# Altium PCB DAU-3Phase-Mainboard.PcbDoc
Units mm, origin at the board's own origin, x right, y up, seen from the top; angles counter-clockwise.
Board outline 108 x 148 mm, 2 copper layers (Top Layer, Bottom Layer); 149 components, 95 nets, 471 pads, 141 vias.
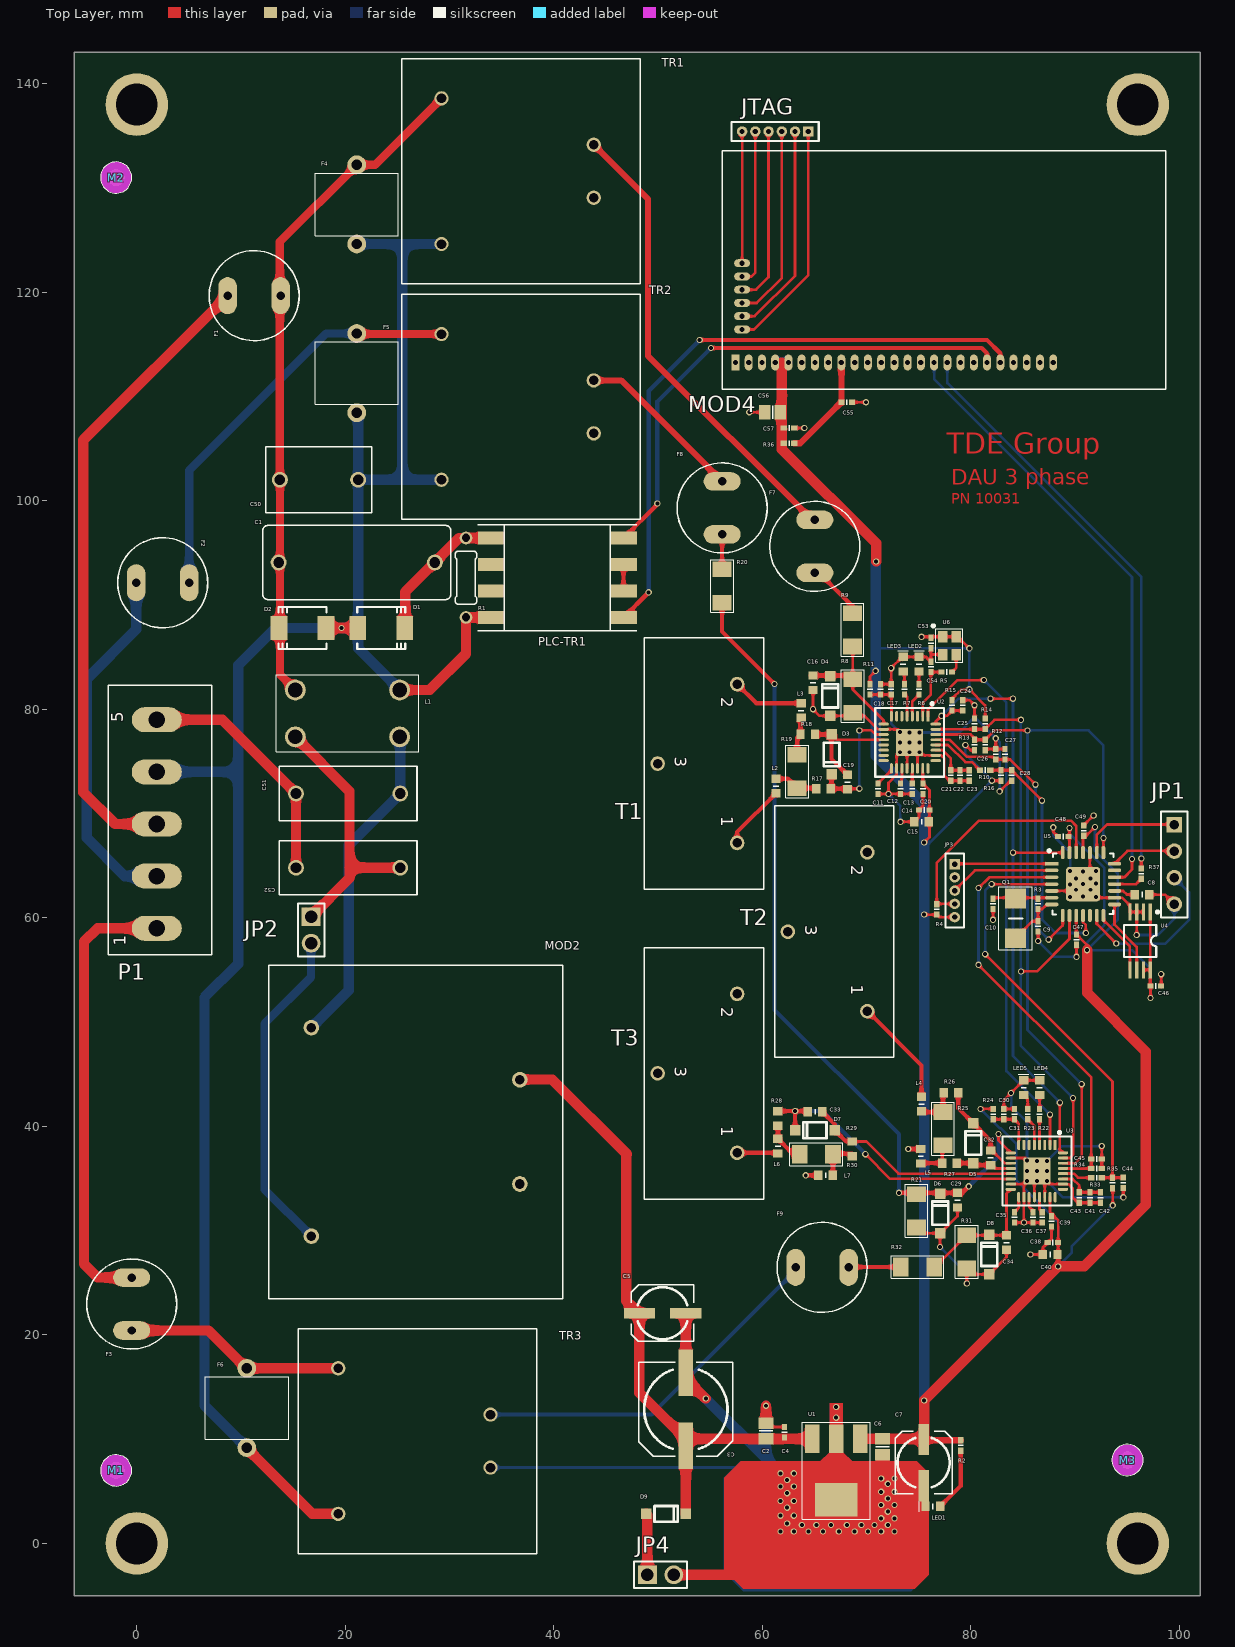
[diagram p0: Top Layer view]
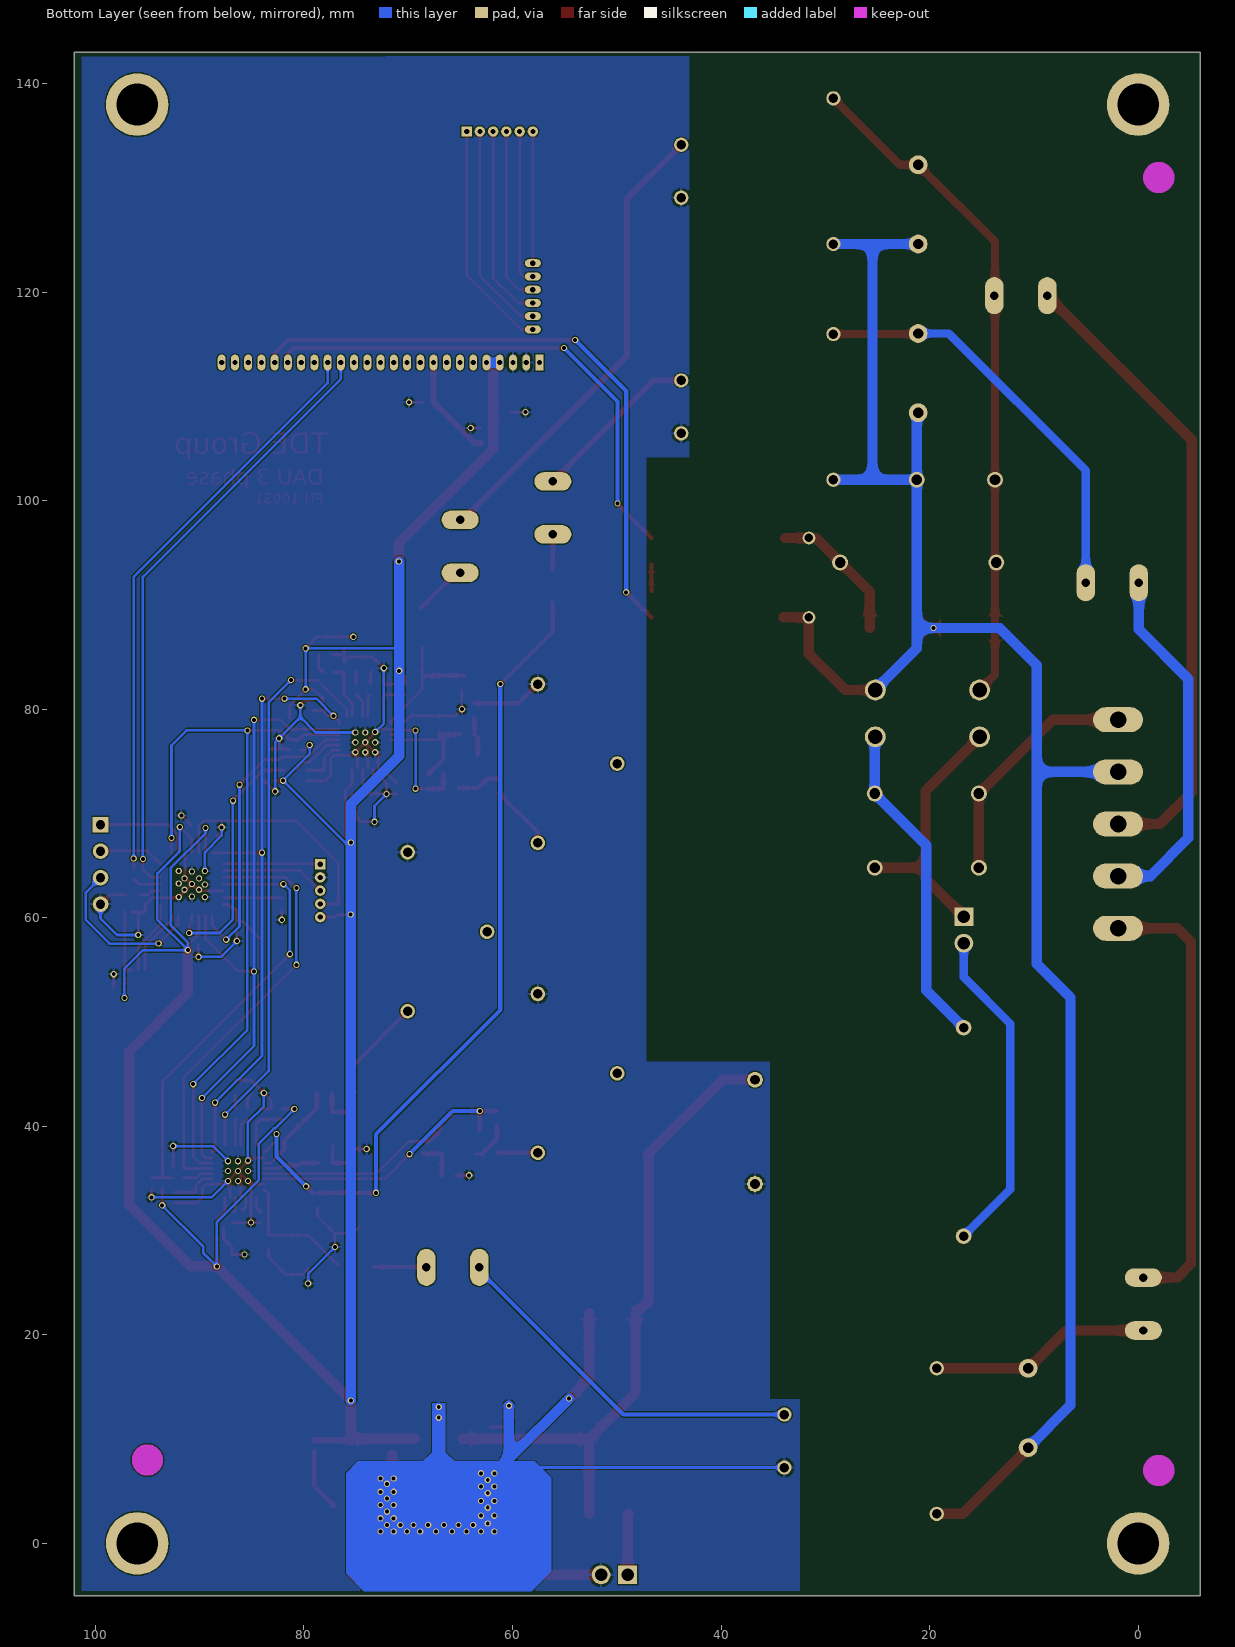
[diagram p1: Bottom Layer view, seen from below]

## Layer stack, top to bottom
Top Solder: solder mask 0.0102, Solder Resist, Dk 3.5
Top Layer: signal copper 0.0356
Dielectric 1: dielectric 0.32, FR-4, Dk 4.8
Bottom Layer: signal copper 0.0356
Bottom Solder: solder mask 0.0102, Solder Resist, Dk 3.5

## Board outline
-5.984,-5 -5.984,143 102.016,143 102.016,-5

## Design rules (kind name [scope] priority, off if disabled: settings)
Clearance [All] p1: gap=0.11
ComponentClearance [All] p1: gap=0 collisioncheckmode=3 verticalgap=0 showdistances=FALSE
HoleSize [All] p1: absolutevalues=TRUE maxlimit=10 minlimit=0.025 maxpercent=80.000 minpercent=20.000
MinimumSolderMaskSliver MinimumSolderMaskSliver_2 [HasFootprint('QFN28_LONG_ERRLES-Vias')] p1: minsoldermaskwidth=0
MinimumSolderMaskSliver MinimumSolderMaskSliver_1 [(HasFootprint('QFN32_L-Vias') AND HasFootprint('QFN32_L-Vias'))] p2: minsoldermaskwidth=0
MinimumSolderMaskSliver [All] p3: minsoldermaskwidth=0.05
PolygonConnect [All] p1: connectstyle=Relief reliefconductorwidth=0.254 reliefentries=4 polygonreliefangle="90 Angle" airgapwidth=0.254
RoomDefinition DAU-3Phase-PSU [InComponentClass('DAU-3Phase-PSU')] p1: confinementstyle=ConfineIn formatcopy=TRUE lockcomponents=FALSE outline -14.554,-6.629 118.374,-6.629 118.374,145.39 -14.554,145.39
RoomDefinition DAU-3Phase-Measuring [InComponentClass('DAU-3Phase-Measuring')] p2: confinementstyle=ConfineIn formatcopy=TRUE lockcomponents=FALSE outline -14.427,-8.28 109.969,-8.28 109.969,146.851 -14.427,146.851
RoutingVias [All] p1: holewidth=0.711 width=1.27 viastyle="Through Hole" minholewidth=0.3 minwidth=0.38 maxholewidth=0.711 maxwidth=1.27
SilkToSilkClearance [All] p1: silktosilkclearance=0.005
SilkToSolderMaskClearance [IsPad] p1: minsilkscreentomaskgap=0 clearancetoexposedcopper=TRUE
SolderMaskExpansion [All] p1: expansion=0.102
Width [All] p1: maxlimit=4 minlimit=0.254 preferedwidth=0.254
25 further rules are at their usual default settings.

## Classes and differential pairs
component class DAU-3Phase-Measuring: C11 C12 C13 C14 C15 C16 C17 C18 C19 C20 C21 C22 C23 C24 C25 C26 C27 C28 C29 C30 C31 C32 C33 C34 C35 C36 C37 C38 C39 C40 C41 C42 C43 C44 C45 C53 C54 D3 D4 D5 D6 D7 D8 F7 F8 F9 L2 L3 L4 L5 L6 L7 LED2 LED3 LED4 LED5 M1 M2 M3 R5 R6 R7 R8 R9 R10 R11 R12 R13 R14 R15 R16 R17 R18 R19 R20 R21 R22 R23 R24 R25 R26 R27 R28 R29 R30 R31 R32 R33 R34 R35 T1 T2 T3 TR1 TR2 TR3 U2 U3 U6
component class DAU-3Phase-PSU: C1 C2 C3 C4 C5 C6 C7 C8 C9 C10 C46 C47 C48 C49 C50 C51 C52 C55 C56 C57 D1 D2 D9 F1 F2 F3 F4 F5 F6 JP1 JP2 JP3 JP4 JTAG L1 LED1 MOD2 MOD4 P1 PLC-TR1 Q1 R1 R2 R3 R4 R36 R37 U1 U4 U5

## Components (designator, comment, footprint, x,y, rotation, side; value= is the part's Value field where it differs from the comment)
C1 "470nF275V" C150-072X183 21.092,94.082 r0 top
C2 "100nF100V_0805" C0805 60.345,10.792 r90 top
C3 "470uF25V_POL_FT" Panasonic-FT-F_Case 52.651,12.866 r270 top
C4 "150p50V_0402" C0402 62.123,10.665 r90 top
C5 "4u7F25V_POL_TK" Panasonic-FT-C_Case 50.429,22.073 r180 top
C6 "100nF100V_0805" C0805 71.521,9.268 r270 top
C7 "4u7F25V_POL_TK" Panasonic-FT-C_Case 75.458,7.744 r90 top
C8 "10uF10V_0603" C0603 96.411,62.227 r0 top
C9 "16pF50V_0402" C0402 86.443,59.179 r270 top
C10 "16pF50V_0402" C0402 82.125,61.338 r270 top
C11 "100nF25V_0402" C0402 71.076,72.387 r270 top
C12 "100nF25V_0402" C0402 73.235,72.387 r270 top
C13 "100nF25V_0402" C0402 74.378,72.387 r270 top
C14 "100nF25V_0402" C0402 75.521,70.355 r180 top
C15 "1uF25V_0603" C0603 75.267,69.212 r180 top
C16 "22nF50V_0603" C0603 64.853,82.547 r270 top
C17 "150p50V_0402" C0402 72.346,81.912 r90 top
C18 "100nF25V_0402" C0402 71.33,81.912 r90 top
C19 "10nF50V_0603" C0603 68.155,73.022 r90 top
C20 "150p50V_0402" C0402 75.394,72.387 r270 top
C21 "150p50V_0402" C0402 78.061,73.657 r270 top
C22 "100nF25V_0402" C0402 78.95,73.657 r270 top
C23 "4n7F50V_0402" C0402 79.839,73.657 r270 top
C24 "150p50V_0402" C0402 79.204,80.38 r90 top
C25 "150p50V_0402" C0402 80.347,78.61 r90 top
C26 "150p50V_0402" C0402 81.363,76.578 r270 top
C27 "150p50V_0402" C0402 83.268,75.689 r90 top
C28 "150p50V_0402" C0402 83.903,73.657 r270 top
C29 "22nF50V_0603" C0603 78.71,32.92 r270 top
C30 "100nF25V_0402" C0402 83.155,41.175 r90 top
C31 "150p50V_0402" C0402 84.171,41.175 r90 top
C32 "10nF50V_0603" C0603 81.885,36.984 r270 top
C33 "10nF50V_0603" C0603 65.044,41.399 r0 top
C34 "22nF50V_0603" C0603 83.409,28.856 r270 top
C35 "100nF25V_0402" C0402 84.171,31.269 r270 top
C36 "100nF25V_0402" C0402 85.949,31.269 r270 top
C37 "100nF25V_0402" C0402 86.838,31.269 r270 top
C38 "150p50V_0402" C0402 87.854,28.856 r180 top
C39 "100nF25V_0402" C0402 87.727,30.888 r270 top
C40 "1uF25V_0603" C0603 87.6,27.713 r180 top
C41 "4n7F50V_0402" C0402 91.41,33.174 r270 top
C42 "100nF25V_0402" C0402 92.426,33.174 r270 top
C43 "150p50V_0402" C0402 90.394,33.174 r270 top
C44 "150p50V_0402" C0402 94.615,34.591 r270 top
C45 "150p50V_0402" C0402 92.045,36.857 r0 top
C46 "100n50V_0402" C0402 97.727,53.451 r180 top
C47 "100n50V_0402" C0402 90.126,57.909 r270 top
C48 "100n50V_0402" C0402 88.846,67.793 r180 top
C49 "100n50V_0402" C0402 90.815,68.365 r90 top
C50 "68nF270V-X2" Foil-7,5x10 17.472,102.02 r0 top
C51 "10nF300V-Y2" Foil-10x13 20.266,71.921 r180 top
C52 "10nF300V-Y2" Foil-10x13 20.266,64.809 r180 top
C53 "100nF16V_0402" C0402 76.156,86.357 r270 top
C54 "16pF50V_0402" C0402 76.156,84.071 r90 top
C55 "100nF25V_0402" C0402 68.082,109.449 r0 top
C56 "100nF100V_0805" C0805 60.97,108.497 r180 top
C57 "150p50V_0402" C0402 62.557,106.973 r0 top
D1 "SMBJ58CA-TR" SMB 23.441,87.796 r0 top
D2 "SMBJ58CA-TR" SMB 15.885,87.796 r180 top
D3 "MMSZ4678T1G" SOD123 66.631,75.689 r270 top
D4 "MMSZ4678T1G" SOD123 66.504,81.277 r90 top
D5 "MMSZ4678T1G" SOD123 80.234,38.381 r90 top
D6 "MMSZ4678T1G" SOD123 77.059,31.65 r90 top
D7 "MMSZ4678T1G" SOD123 65.044,39.621 r180 top
D8 "MMSZ4678T1G" SOD123 81.758,27.713 r90 top
D9 "RB160M-30TR" SOD123 50.746,2.833 r0 top
F1 "MCMET 250MA 250V" TR5 11.249,119.673 r0 top
F2 "MCMET 250MA 250V" TR5 2.476,92.138 r0 top
F3 "MCMET 250MA 250V" TR5 -0.498,22.962 r270 top
F4 "GDT-SL1011A-1" SL1011A/SL1011B 21.096,128.426 r90 top
F5 "GDT-SL1011A-1" SL1011A/SL1011B 21.096,112.243 r90 top
F6 "GDT-SL1011A-1" SL1011A/SL1011B 10.551,12.993 r90 top
F7 "MCMET 250MA 250V" TR5 65.024,95.631 r270 top
F8 "MCMET 250MA 250V" TR5 56.134,99.314 r270 top
F9 "MCMET 250MA 250V" TR5 65.722,26.479 r0 top
JP1 "Plug_4_90_2.54" HDR1X4 99.514,65.126 r270 top
JP2 "Header-2" HDR1X2 16.71,58.84 r270 top
JP3 "ICDI" HDR1X5-1.27 78.442,62.608 r270 top
JP4 "Header-2" HDR1X2 50.238,-3.009 r0 top
JTAG "JTAG" HDR1X6-1.27 61.224,135.421 r180 top
L1 "PowerChoke-2" WE-CMB-XS 20.203,79.604 r180 top
L2 "1k5_50mA_0603" L0603 61.297,72.641 r270 top
L3 "1k5_50mA_0603" L0603 63.71,79.88 r90 top
L4 "1k5_50mA_0603" L0603 75.257,42.139 r90 top
L5 "1k5_50mA_0603" L0603 75.184,37.131 r90 top
L6 "1k5_50mA_0603" L0603 61.488,38.097 r270 top
L7 "1k5_50mA_0603" L0603 66.06,35.303 r180 top
LED1 "WL-SMCW-GREEN" WE-0603 76.347,3.553 r0 top
LED2 "WL-SMCW-RED" WE-0603 75.013,84.325 r270 top
LED3 "WL-SMCW-YELLOW" WE-0603 73.489,84.325 r270 top
LED4 "WL-SMCW-RED" WE-0603 86.584,43.715 r270 top
LED5 "WL-SMCW-YELLOW" WE-0603 85.06,43.715 r270 top
M1 "Paste Mark" Mark-3mm -1.984,7 r0 top
M2 "Paste Mark" Mark-3mm -1.984,131 r0 top
M3 "Paste Mark" Mark-3mm 95.016,8 r0 top
MOD2 "VTX-214-005-105" VTX-214-005-105 26.743,39.472 r270 top
MOD4 "IT900" IT900-PIM 56.144,110.719 r0 top
P1 "Plug_05_5mm" CONNECTOR_5_POL-5mm 1.915,69 r90 top
PLC-TR1 "PLC-Transformer" PLC-UEBERTRAGER_V2 40.332,92.622 r0 top
Q1 "Crystal_8MHz_1" ABM3 84.284,59.941 r90 top
R1 "470k_0204/7" 0204/7 31.569,92.622 r90 top
R2 "390R_0402" R0402 79.014,9.395 r270 top
R3 "1M_0402" R0402 86.443,61.338 r90 top
R4 "10k_0402" R0402 76.718,60.808 r270 top
R5 "33R_0402" R0402 77.68,83.571 r180 top
R6 "4k7_0402" R0402 75.013,81.912 r270 top
R7 "4k7_0402" R0402 73.616,81.912 r270 top
R8 "4k7_0204_MELF" R0204-MELF4 68.663,81.277 r90 top
R9 "470k_0204_MELF" R0204-MELF4 68.644,87.63 r270 top
R10 "100R_0402" R0402 81.363,74.165 r0 top
R11 "100R_0402" R0402 70.314,81.912 r270 top
R12 "10k_0402" R0402 82.379,75.689 r270 top
R13 "10k_0402" R0402 80.347,76.578 r90 top
R14 "10k_0402" R0402 81.363,78.61 r270 top
R15 "10k_0402" R0402 78.188,80.38 r270 top
R16 "10k_0402" R0402 82.887,73.657 r90 top
R17 "1k_0603" R0603(1608) 65.869,72.387 r180 top
R18 "1k_0603" R0603(1608) 64.345,77.594 r180 top
R19 "6R8_0204_MELF" R0204-MELF4 63.329,74.038 r270 top
R20 "470k_0204_MELF" R0204-MELF4 56.134,91.821 r270 top
R21 "4k7_0204_MELF" R0204-MELF4 74.773,31.904 r90 top
R22 "4k7_0402" R0402 86.584,41.175 r270 top
R23 "4k7_0402" R0402 85.441,41.175 r270 top
R24 "100R_0402" R0402 82.139,41.175 r270 top
R25 "6R8_0204_MELF" R0204-MELF4 77.313,39.778 r90 top
R26 "1k_0603" R0603(1608) 78.075,43.207 r180 top
R27 "1k_0603" R0603(1608) 77.948,36.476 r180 top
R28 "1k_0603" R0603(1608) 61.488,40.764 r270 top
R29 "1k_0603" R0603(1608) 68.6,37.843 r270 top
R30 "6R8_0204_MELF" R0204-MELF4 65.171,37.335 r180 top
R31 "4k7_0204_MELF" R0204-MELF4 79.599,27.967 r90 top
R32 "470k_0204_MELF" R0204-MELF4 74.876,26.518 r0 top
R33 "100R_0402" R0402 92.045,35.079 r0 top
R34 "10k_0402" R0402 92.045,35.968 r180 top
R35 "10k_0402" R0402 93.569,34.571 r90 top
R36 "1M_0402" R0402 62.557,105.512 r0 top
R37 "390R_0402" R0402 96.339,64.237 r90 top
T1 "AC1020" AC1010 53.763,74.8 r270 top
T2 "AC1020" AC1010 66.25,58.671 r270 top
T3 "AC1020" AC1010 53.763,45.082 r270 top
TR1 "BV 202 0157" TRAFO_0,35VA 36.522,131.611 r0 top
TR2 "BV 202 0157" TRAFO_0,35VA 36.522,109.005 r0 top
TR3 "BV 202 0157" TRAFO_0,35VA 26.616,9.818 r0 top
U1 "ADP3338AKCZ-3.3RL7" SOT223-1 67.076,7.109 r180 top
U2 "STPM34TR" QFN32_L-Vias 74.124,76.832 r270 top
U3 "STPM34TR" QFN32_L-Vias 86.33,35.714 r270 top
U4 "24AA256" TSSOP8 96.222,57.782 r180 top
U5 "PIC32MX220F032B-50I/ML" QFN28_LONG_ERRLES-Vias 90.761,63.243 r270 top
U6 "SG - 211 S*E -16.000M" "SG - 211 S*E" 77.934,86.103 r270 top

## Footprints (in the part's own frame and the unit in brackets; to place one, negate y for a bottom-side part, rotate by r counter-clockwise, add the part's x,y. Pads: shape width x height; smd on the part's side, far side on the other; paste and mask are expansions set on the pad)
0204/7 [mil] "0204/7"
  round 48 hole 32: 1(-150,0) 2(150,0)
  silkscreen extent -100,-40 100,40, body extent -94,-35 95,35, height 74
ABM3 [mm] "Chip, Body 5x3.2mm"
  rect 1.9x2 smd: 1(-1.9,0) 2(1.9,0)
  silkscreen extent -3.01,-1.6 3.03,1.6, body extent -2.6,-1.6 2.6,1.6, height 0.7
AC1010 [mm] "AC1010"
  round 1.4 hole 0.914: 1(7.62,3.81) 2(-7.62,3.81) 3(0,-3.81)
  silkscreen extent -12.07,-5.08 12.07,6.35, body extent -11.9,-4.9 12.01,6.1, height 24.18
C150-072X183 [mil] "C150-072X183"
  round 60 hole 40: 1(-295,0) 2(295,0)
  silkscreen extent -355,-140 355,140, body extent -354,-138 354,142, height 343
C0402 [mm] "Chip Capacitor, Body 1.0x0.5mm, IPC High Density"
  rect 0.6x0.5 smd: 1(-0.5,0) 2(0.5,0)
  silkscreen extent 0,-0.25 0,0.25, body extent -0.5,-0.25 0.5,0.25, height 0.5
C0603 [mm] "Chip Capacitor, 0603"
  rect 0.8x0.9 smd: 1(-0.7,0) 2(0.7,0)
  silkscreen extent 0,-0.25 0,0.25, body extent -0.8,-0.4 0.8,0.4, height 0.8
C0805 [mm] "Chip Capacitor, Body 2.0x1.3mm, IPC High Density"
  rect 1.1x1.4 smd: 1(-0.75,0) 2(0.75,0)
  silkscreen extent 0,-0.64 0,0.64, body extent -0.5,-0.25 0.5,0.25, height 0.5
CONNECTOR_5_POL-5mm [mil] "Phoenix Contact 1715187"
  oval 94.5x189 hole 63: 1(-393.7,0) 2(-196.85,0) 3(0,0) 4(196.85,0) 5(393.7,0)
  silkscreen extent -494,-208 524,183, body extent -491,-206 522,180, height 543
Foil-7,5x10 [mil] "Foil-7,5x10"
  round 60 hole 40: 1(-147.64,0) 2(147.64,0)
  silkscreen extent -202,-124 199,124, body extent -199,-117 195,119, height 506
Foil-10x13 [mil] "Foil-10x13"
  round 60 hole 40: 1(-196.85,0) 2(196.85,0)
  silkscreen extent -260,-102 260,102, body extent -256,-99 256,97, height 427
HDR1X2 [mm] "Connector; Header; 2 Position"
  rect 1.8x1.8 hole 1.2: 1(-1.27,0)
  round 1.8 hole 1.2: 2(1.27,0)
  silkscreen extent -2.54,-1.27 2.54,1.27, body extent -2.54,-1.27 2.54,1.27, height 8.62
HDR1X4 [mm] "Connector; Header; 4 Position"
  rect 1.5x1.5 hole 0.9: 1(-3.81,0)
  round 1.5 hole 0.9: 2(-1.27,0) 3(1.27,0) 4(3.81,0)
  silkscreen extent -5.08,-1.27 5.09,1.27, body extent -5.08,-1.31 5.08,1.27, height 8.62
HDR1X5-1.27 [mm] "Connector; Header; 5 Position"
  rect 1x1 hole 0.5: 1(-2.54,0)
  round 1 hole 0.5: 2(-1.27,0) 3(0,0) 4(1.27,0) 5(2.54,0)
  silkscreen extent -3.55,-0.9 3.55,0.9, body extent -3.56,-0.89 3.56,0.89, height 7
HDR1X6-1.27 [mm] "Connector; Header; 6 Position"
  rect 1x1 hole 0.5: 1(-3.175,0)
  round 1 hole 0.5: 2(-1.905,0) 3(-0.635,0) 4(0.635,0) 5(1.905,0) 6(3.175,0)
  silkscreen extent -4.18,-0.9 4.18,0.9, body extent -4.19,-0.89 4.18,0.89, height 7
IT900-PIM [mil] "IT900"
  rect 30x60 hole 20: 1(50,100)
  oval 30x60 hole 20: 2(100,100) 3(150,100) 4(200,100) 5(250,100) 6(300,100) 7(350,100) 8(400,100) 9(450,100) 10(500,100) 11(550,100) 12(600,100) 13(650,100) 14(700,100) 15(750,100) 16(800,100) 17(850,100) 18(900,100) 19(950,100) 20(1000,100) 21(1050,100) 22(1100,100) 23(1150,100) 24(1200,100) 25(1250,100)
  oval 60x30 hole 20: 26(75,225) 27(75,275) 28(75,325) 29(75,375) 30(75,425) 31(75,475)
  silkscreen extent 0,0 1675,900, body extent 0,0 1675,900, height 354
L0603 [mm] "Chip Ferrit, 0603"
  rect 0.8x0.9 smd: 1(-0.7,0) 2(0.7,0)
  silkscreen extent 0,-0.25 0,0.25, body extent -0.8,-0.4 0.8,0.4, height 0.8
Mark-3mm [mm]
  round 1.6 smd paste-2: 0(0,0)
  Keep-Out Layer circle w2: c0,0 r0.5
  silkscreen extent -1.5,-1.5 1.5,1.5
Panasonic-FT-C_Case [mm] "SMD electrolytic, Panasonic"
  rect 3x1 smd: 1(2.225,0) 2(-2.225,0)
  silkscreen extent -3,-2.73 3,2.7, body extent -3,-2.73 3,2.7, height 7
Panasonic-FT-F_Case [mm] "SMD electrolytic, Panasonic"
  rect 4.5x1.4 smd: 1(3.5,0) 2(-3.5,0)
  silkscreen extent -4.5,-4.5 4.5,4.5, body extent -4.5,-4.5 4.5,4.5, height 10.4
PLC-UEBERTRAGER_V2 [mm] "PLC-UEBERTRAGER_V2"
  rect 2.54x1.27 smd: 1LINE1(6.35,3.81) 2(6.35,1.27) 3(6.35,-1.27) 4LINE2(6.35,-3.81) 6NC(-6.35,1.27) 7NC(-6.35,-1.27) 8N(-6.35,-3.81) L5(-6.35,3.81)
  silkscreen extent -7.62,-5.08 7.62,5.08, body extent -5.11,-5.07 5.06,5.06, height 7.6
QFN28_LONG_ERRLES-Vias [mm] "QFN28_LONG_ERRLES"
  rect 0.356x1.27 smd: 1(-1.944,-3.011)
  oval 0.356x1.27 smd: 2(-1.309,-3.011) 3(-0.649,-3.011) 4(0.011,-3.011) 5(0.661,-3.011) 6(1.311,-3.011) 7(1.961,-3.011) 15(1.961,3.011) 16(1.311,3.011) 17(0.661,3.011) 18(0.011,3.011) 19(-0.649,3.011) 20(-1.309,3.011) 21(-1.944,3.011)
  oval 1.27x0.356 smd: 8(3.011,-1.961) 9(3.011,-1.311) 10(3.011,-0.661) 11(3.011,-0.011) 12(3.011,0.649) 13(3.011,1.31) 14(3.011,1.945) 22(-3.011,1.945) 23(-3.011,1.31) 24(-3.011,0.649) 25(-3.011,-0.011) 26(-3.011,-0.661) 27(-3.011,-1.311) 28(-3.011,-1.961)
  round 0.6 hole 0.381: EXP(-1.25,1.25) EXP(-1.25,-1.25) EXP(-1.2,0) EXP(-0.55,0.7) EXP(-0.55,-0.7) EXP(-0.05,1.25) EXP(0,0) EXP(0.05,-1.25) EXP(0.55,0.7) EXP(0.55,-0.7) EXP(1.2,0) EXP(1.25,1.25) EXP(1.25,-1.25)
  rrect20% 3.302x3.302 smd: EXP(0.011,-0.011)
  silkscreen extent -3.29,-3.36 2.91,2.91, body extent -2.89,-2.91 2.91,2.89, height 1
QFN32_L-Vias [mm] "32-Pin Quad Flat Pack 0.5 mm Pitch, IPC High Density"
  rrect20% 1x0.28 smd: 1(-2.5,1.75)
  oval 1x0.28 smd: 2(-2.5,1.25) 3(-2.5,0.75) 4(-2.5,0.25) 5(-2.5,-0.25) 6(-2.5,-0.75) 7(-2.5,-1.25) 8(-2.5,-1.75) 17(2.5,-1.75) 18(2.5,-1.25) 19(2.5,-0.75) 20(2.5,-0.25) 21(2.5,0.25) 22(2.5,0.75) 23(2.5,1.25) 24(2.5,1.75)
  oval 0.28x1 smd: 9(-1.75,-2.5) 10(-1.25,-2.5) 11(-0.75,-2.5) 12(-0.25,-2.5) 13(0.25,-2.5) 14(0.75,-2.5) 15(1.25,-2.5) 16(1.75,-2.5) 25(1.75,2.5) 26(1.25,2.5) 27(0.75,2.5) 28(0.25,2.5) 29(-0.25,2.5) 30(-0.75,2.5) 31(-1.25,2.5) 32(-1.75,2.5)
  rrect10% 2.6x2.6 smd: 33(0,0)
  silkscreen extent -3.82,-3.3 3.3,3.3, body extent -2.5,-2.5 2.5,2.5, height 1.85
R0204-MELF4 [mm] "MELF Resistor, 0204"
  rect 1.5x1.8 smd: 1(-1.6,0) 2(1.6,0)
  silkscreen extent -2.53,-1.08 2.53,1.09, body extent -2.04,-0.73 1.65,0.69, height 1.6
R0402 [mm] "Chip Resistor, Body 1.0x0.5mm"
  rect 0.6x0.5 smd: 1(-0.5,0) 2(0.5,0)
  silkscreen extent 0,-0.25 0,0.25, body extent -0.5,-0.24 0.5,0.26, height 0.4
R0603(1608) [mm] "Chip Resistor, 0603"
  rect 0.8x0.9 smd: 1(-0.7,0) 2(0.7,0)
  body extent -0.8,-0.4 0.8,0.4, height 0.5
"SG - 211 S*E" [mm]
  rect 1.1x0.9 smd: 1(-0.85,-0.65) 2(0.85,-0.65) 3(0.85,0.65) 4(-0.85,0.65)
  silkscreen extent -2.02,-1.67 1.6,1.3, body extent -1.25,-1 1.25,1, height 1.3
SL1011A/SL1011B [mm] "Surge stopper"
  round 1.8 hole 1: 1(-3.8,0) 2(3.8,0)
  silkscreen extent -3,-4 3,4, body extent -3,-3.97 3,4.02, height 8.1